# Altium PCB 2m_DBoard_RX.PcbDoc (part 3 of 3)
Units mm, origin at the board's own origin, x right, y up, seen from the top; angles counter-clockwise.
Board outline 63.5 x 139.7 mm, 8 copper layers (Top RF, AGND, AVDD, DVDD, GND 2, Signal 1, GND 1, Bottom Layer), stack 1.544 mm thick; 234 components, 188 nets, 1048 pads, 1067 vias.
Unrouted connection lines stored in the file: 2.
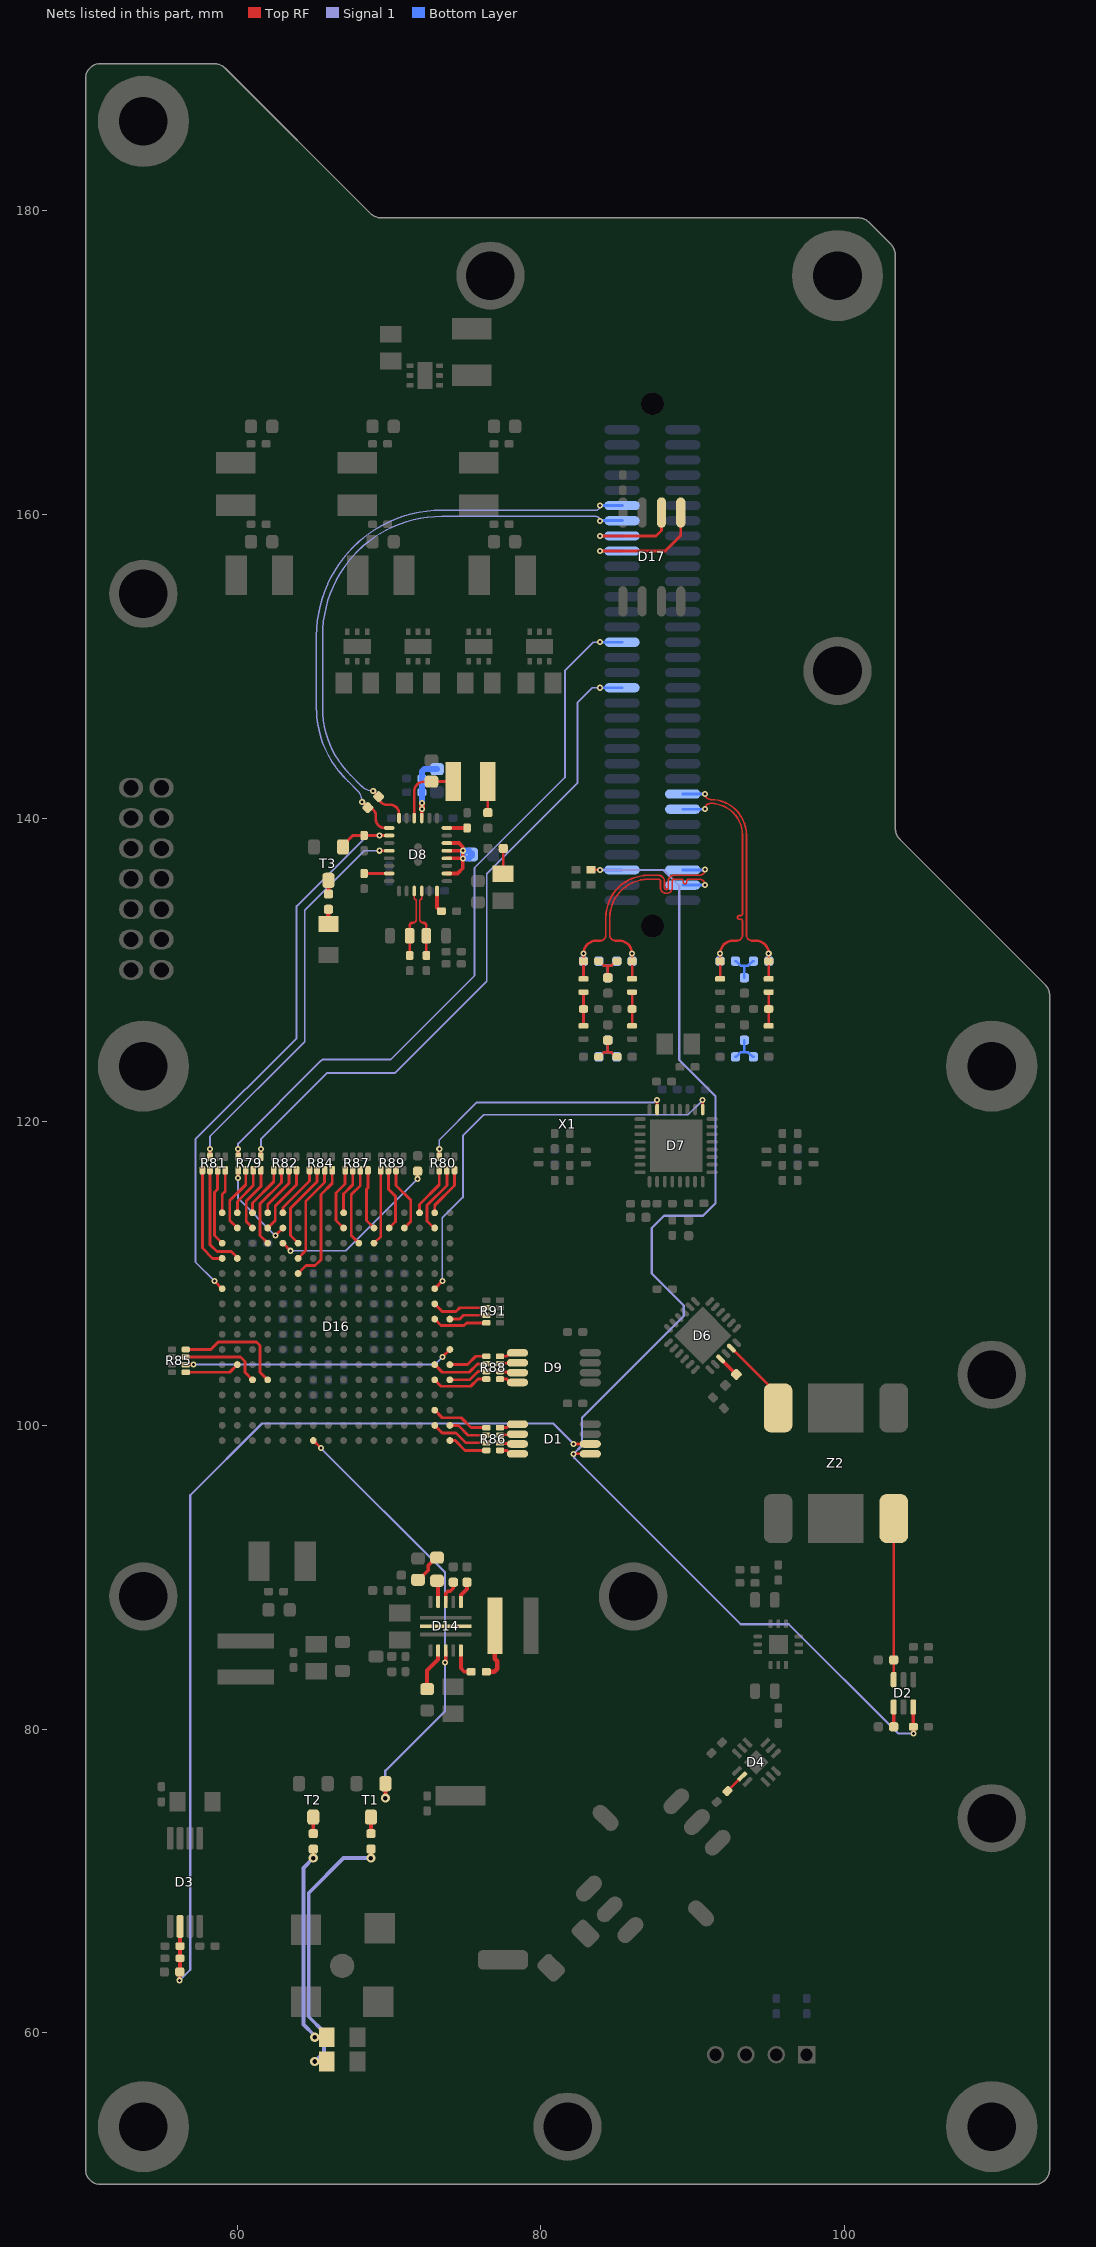
[diagram p9: the nets of this part, all layers, seen from the top]

## Via types
v1: diameter 0.6, hole 0.3, Top RF to Bottom Layer, tented both sides, 699 vias
v2: diameter 0.4, hole 0.2, Top RF to Bottom Layer, tented both sides, 346 vias
v3: diameter 0.7, hole 0.4, Top RF to Bottom Layer, tented both sides, 22 vias

## Nets (pads, with @x,y where several pads share a name; then routed paths per layer and width w, separated by ;. In a path a pad name is that pad's centre, name@x,y a point inside that pad or via, vN(x,y) a via of type N, cw(c..) or ccw(c..) an arc to the next point about the centre after c; other vN are vias at no path point) (continued)
NetC41_2: C41.2 L9.2 L10.1 | length 2.2
  Top RF w0.17: L9.2@95,126.31 C41.2@95,127.425 L10.1@95,128.54
NetC46_1: C46.1 D8.12 L12.1 | length 4.6
  Top RF w0.115: D8.12@72.15,135.2 72.15,134.7 cw(c72.1,134.7) 72.1,134.65 ccw(c72.1,134.565) 72.015,134.565 72.015,133.335 ccw(c72.25,133.335) 72.25,133.1
  Top RF w0.17: 72.25,133.1 cw(c72.25,132.9) 72.45,132.9 L12.1@72.45,132.25 C46.1@72.45,130.95
NetC47_1: C47.1 D8.11 L11.1 | length 4.6
  Top RF w0.115: 71.55,133.1 ccw(c71.55,133.335) 71.785,133.335 71.785,134.565 ccw(c71.7,134.565) 71.7,134.65 cw(c71.7,134.7) 71.65,134.7 D8.11@71.65,135.2
  Top RF w0.17: C47.1@71.35,130.95 L11.1@71.35,132.25 71.35,132.9 cw(c71.55,132.9) 71.55,133.1
NetC48_2: C48.2 C54.1 R25.1 | length 2.2
  Top RF w0.17: C48.2@83.85,124.275 84.15,124.575 84.4,124.575 ; R25.1@84.4,125.367 84.4,124.575 ; C54.1@84.95,124.275 84.65,124.575 84.4,124.575
  Top RF w0.185: C48.2@83.8,124.275 C48.2@83.85,124.275 ; C54.1@84.95,124.275 C54.1@85,124.275
NetC49_2: C49.2 C56.1 R30.1 | length 2.2
  Top RF w0.17: C49.2@83.85,130.575 84.15,130.275 84.4,130.275 ; R30.1@84.4,129.483 84.4,130.275 ; C56.1@84.95,130.575 84.65,130.275 84.4,130.275
  Top RF w0.185: C49.2@83.8,130.575 C49.2@83.85,130.575 ; C56.1@84.95,130.575 C56.1@85,130.575
NetC50_1: C50.1 L13.2 L14.1 | length 2.2
  Top RF w0.17: L13.2@82.8,126.31 C50.1@82.8,127.425 L14.1@82.8,128.54
NetC51_2: C51.2 D8.16 D8.18 D8.19 D8.20 | length 7.8
  Top RF w0.25: D8.16@73.8,136.35 74.501,136.35 74.85,136.699 v2(74.85,137.35) ; D8.18@73.8,137.35 v2(74.85,137.35) ; D8.19@73.8,137.85 v2(74.85,137.85) ; D8.20@73.8,138.35 74.6,138.35 74.85,138.1 v2(74.85,137.85) ; v2(74.85,137.35) v2(74.85,137.85)
  Bottom Layer w0.4: v2(74.85,137.35) v2(74.85,137.85) 75.25,137.85 75.45,137.65 C51.2@75.45,137.6 75.45,137.55 75.25,137.35 v2(74.85,137.35)
NetC53_2: C53.2 L16.2 L17.1 | length 2.2
  Top RF w0.17: L16.2@86,126.31 C53.2@86,127.425 L17.1@86,128.54
NetC55_2: C55.2 D8.26 L15.2 | length 4.7
  Top RF w0.17: D8.26@71.65,140 71.65,141.75 cw(c72.3,141.75) 72.3,142.4 C55.2@72.788,142.4 ; C55.2@72.797,142.409 L15.2@74.205,142.409
  Top RF w0.185: C55.2@72.788,142.4 C55.2@72.797,142.409
NetC57_2: C57.2 R29.2 | length 1.6
  Top RF w0.17: C57.2@77.516,136.378 R29.2@77.516,138
NetC58_2: C58.2 C59.2 D8.25 R31.1 | length 4.5
  Top RF w0.25: D8.25@72.15,140 v2(72.15,140.6)
  Top RF w0.4: v2(72.15,140.6) v2(72.15,141)
  Bottom Layer w0.4: v2(72.15,140.6) v2(72.15,141) C59.2@72.15,141.65 ; C59.2@72.15,141.7 C58.2@72.15,142.607 72.15,143.05 72.324,143.224 R31.1@73.15,143.224
NetC64_2: C64.2 D8.22 | length 1.3
  Top RF w0.25: D8.22@73.8,139.35 C64.2@75.131,139.35
NetC65_1: C65.1 D8.14 | length 1.5
  Top RF w0.25: D8.14@73.15,135.2 73.15,134.112 73.393,133.869 C65.1@73.443,133.869
NetC67_2: C67.2 D8.7 | length 1.7
  Top RF w0.185: C67.2@68.35,136.35 D8.7@70,136.35
NetC73_1: C73.1 D14.13 | length 1.9
  Top RF w0.25: D14.13@74.725,85.175 74.725,84 74.95,83.775 C73.1@75.4,83.775
NetC73_2: C73.2 D14.7 L20.2 | length 3.7
  Top RF w0.3: C73.2@76.4,83.775 76.914,83.775 77.113,83.974 77.113,84.463 76.953,84.623 76.953,86.787 L20.2@76.965,86.8
NetC75_1: C75.1 D14.10 | length 2.9
  Top RF w0.25: C75.1@72.5,82.625 72.5,83.85 73.225,84.575 D14.10@73.225,85.175
NetC82_2: C82.2 R35.1 | length 2
  Top RF w0.25: C82.2@71.9,89.825 71.95,89.825 72.579,90.454 72.579,90.766 73.1,91.287 R35.1@73.15,91.287
NetC100_2: C100.2 D4.2 | length 1.4
  Top RF w0.17: C100.2@92.282,75.907 93.249,76.874 D4.2@93.254,76.874
NetD2_1: D2.1 R1.2 | length 1.3
  Top RF w0.25: D2.1@103.225,81.45 103.229,81.446 103.229,80.154 R1.2@103.233,80.15
NetD6_3: D6.3 R7.2 | length 1.5
  Top RF w0.25: D6.3@91.832,104.379 91.838,104.379 92.857,103.359 R7.2@92.863,103.359
NetD6_5: D6.5 Z2.OUT | length 5
  Top RF w0.17: D6.5@92.547,105.086 D6.5@92.539,105.086 95.141,102.484 cw(c93.997,101.34) Z2.OUT@95.615,101.34
NetD14_1: D14.1 R33.2 | length 1.5
  Top RF w0.25: D14.1@74.725,88.375 74.725,88.825 75.125,89.225 R33.2@75.125,89.667
NetD14_3: D14.3 R34.2 | length 1.6
  Top RF w0.25: D14.3@73.725,88.375 73.725,88.929 73.871,89.075 74.025,89.075 74.225,89.275 R34.2@74.225,89.667
NetD14_4: D14.4 R35.2 | length 1.4
  Top RF w0.25: R35.2@73.15,89.763 73.225,89.688 D14.4@73.225,88.375
NetD16_A8: D16.A8 R91.3 | length 2.5
  Top RF w0.185: D16.A8@74,107 74.65,107 74.9,107.25 R91.3@76.4,107.25
NetD16_A10: D16.A10 R85.2 | length 17.8
  Top RF w0.185: R85.2@56.6,104 v2(57.1,104) ; v2(73.5,104.5) D16.A10@74,105
  Signal 1 w0.12: v2(57.1,104) 73,104 v2(73.5,104.5)
NetD16_A11: D16.A11 R88.1 | length 2.6
  Top RF w0.185: D16.A11@74,104 75.15,104 75.7,104.55 R88.1@76.4,104.55
NetD16_A12: D16.A12 R88.3 | length 2.6
  Top RF w0.185: D16.A12@74,103 75.3,103 75.85,103.55 R88.3@76.4,103.55
NetD16_A15: D16.A15 R86.6 | length 2.7
  Top RF w0.185: D16.A15@74,100 74.008,99.992 74.558,99.992 75.2,99.35 R86.6@76.4,99.35
NetD16_A16: D16.A16 R86.8 | length 2.7
  Top RF w0.185: D16.A16@74,99 74.35,99 75,98.35 R86.8@76.4,98.35
NetD16_B1: D16.B1 R80.4 | length 3.3
  Top RF w0.185: D16.B1@73,114 73,114.5 74.3,115.8 R80.4@74.3,116.8
NetD16_B2: D16.B2 R80.3 | length 4.6
  Top RF w0.185: D16.B2@73,113 72.95,113 72.5,113.45 72.5,114.5 73.8,115.8 R80.3@73.8,116.8
NetD16_B7: D16.B7 R91.2 | length 3.7
  Top RF w0.185: D16.B7@73,108 73.5,107.5 74.4,107.5 74.65,107.75 R91.2@76.4,107.75
NetD16_B8: D16.B8 R91.4 | length 3.6
  Top RF w0.185: D16.B8@73,107 73.417,106.582 74.939,106.582 75.106,106.75 R91.4@76.4,106.75
NetD16_B11: D16.B11 R88.2 | length 3.8
  Top RF w0.185: D16.B11@73,104 73.5,103.5 75.275,103.5 75.825,104.05 R88.2@76.4,104.05
NetD16_B12: D16.B12 R88.4 | length 3.8
  Top RF w0.185: D16.B12@73,103 73.425,102.575 75.375,102.575 75.85,103.05 R88.4@76.4,103.05
NetD16_B14: D16.B14 R86.5 | length 3.9
  Top RF w0.185: D16.B14@73,101 73.5,100.5 74.75,100.5 75.4,99.85 R86.5@76.4,99.85
NetD16_B15: D16.B15 R86.7 | length 3.9
  Top RF w0.185: D16.B15@73,100 73.5,99.5 74.409,99.5 75.059,98.85 R86.7@76.4,98.85
NetD16_C1: D16.C1 R80.2 | length 3.3
  Top RF w0.185: D16.C1@72,114 72,114.55 73.3,115.85 R80.2@73.3,116.8
NetD16_D2: D16.D2 R89.3 | length 4.4
  Top RF w0.185: R89.3@70.45,116.8 70.45,115.806 71.417,114.839 71.417,113.418 D16.D2@71,113
NetD16_E2: D16.E2 R89.2 | length 4.2
  Top RF w0.185: R89.2@69.95,116.8 69.95,115.556 70.417,115.089 70.417,113.417 D16.E2@70,113
NetD16_F2: D16.F2 R87.4 | length 4
  Top RF w0.185: R87.4@68.6,116.8 68.6,115.65 68.5,115.55 68.5,113.5 D16.F2@69,113
NetD16_F3: D16.F3 R89.1 | length 5
  Top RF w0.185: D16.F3@69,112 69.45,112.45 R89.1@69.45,116.8
NetD16_G3: D16.G3 R87.3 | length 5.3
  Top RF w0.185: D16.G3@68,112 67.5,112.5 67.5,115.2 68.1,115.8 R87.3@68.1,116.8
NetD16_H1: D16.H1 R87.2 | length 3
  Top RF w0.185: D16.H1@67,114 67,115.25 67.6,115.85 R87.2@67.6,116.8
NetD16_H2: D16.H2 R87.1 | length 4.3
  Top RF w0.185: D16.H2@67,113 66.5,113.5 66.5,115.3 67.1,115.9 R87.1@67.1,116.8
NetD16_L3: D16.L3 R84.2 | length 5.7
  Top RF w0.185: D16.L3@64,112 63.5,112.5 63.5,114.3 65.25,116.05 R84.2@65.25,116.8
NetD16_L4: D16.L4 R84.3 | length 6.5
  Top RF w0.185: D16.L4@64,111 64.5,111.5 64.5,114.75 65.75,116 R84.3@65.75,116.8
NetD16_L5: D16.L5 R84.4 | length 8.1
  Top RF w0.185: D16.L5@64,110 64.521,110.521 65.112,110.521 65.5,110.91 65.5,115.2 66.25,115.95 R84.4@66.25,116.8
NetD16_M1: D16.M1 R84.1 | length 3.5
  Top RF w0.185: D16.M1@63,114 63,114.35 64.75,116.1 R84.1@64.75,116.8
NetD16_M2: D16.M2 R79.1 | length 6
  Top RF w0.185: v2(60.05,116.3) R79.1@60.05,116.8 ; v2(62.5,112.5) D16.M2@63,113
  Signal 1 w0.12: v2(60.05,116.3) 60.05,114.95 v2(62.5,112.5)
NetD16_M3: D16.M3 R90.1 | length 11.5
  Top RF w0.185: D16.M3@63,112 v2(63.5,111.5) ; v2(71.875,116.242) R90.1@71.875,116.742
  Signal 1 w0.12: v2(63.5,111.5) 67.133,111.5 v2(71.875,116.242)
NetD16_N1: D16.N1 R82.3 | length 3.4
  Top RF w0.185: D16.N1@62,114 62,114.55 63.4,115.95 R82.3@63.4,116.8
NetD16_N2: D16.N2 R82.4 | length 4.6
  Top RF w0.185: D16.N2@62,113 62.5,113.5 62.5,114.45 63.9,115.85 R82.4@63.9,116.8
NetD16_N3: D16.N3 R82.2 | length 5.6
  Top RF w0.185: D16.N3@62,112 61.5,112.5 61.5,114.6 62.9,116 R82.2@62.9,116.8
NetD16_N12: D16.N12 R85.4 | length 7.7
  Top RF w0.185: R85.4@56.6,105 58.244,105 58.744,105.5 61.25,105.5 61.5,105.25 61.5,103.5 D16.N12@62,103
NetD16_P1: D16.P1 R82.1 | length 3.4
  Top RF w0.185: D16.P1@61,114 61,114.65 62.4,116.05 R82.1@62.4,116.8
NetD16_P2: D16.P2 R79.4 | length 4.4
  Top RF w0.185: D16.P2@61,113 60.582,113.417 60.582,114.782 61.55,115.75 R79.4@61.55,116.8
NetD16_P12: D16.P12 R85.3 | length 5.4
  Top RF w0.185: R85.3@56.6,104.5 60.2,104.5 60.5,104.2 60.5,103.5 D16.P12@61,103
NetD16_R1: D16.R1 R79.3 | length 3.2
  Top RF w0.185: D16.R1@60,114 60,114.75 61.05,115.8 R79.3@61.05,116.8
NetD16_R2: D16.R2 R79.2 | length 4.4
  Top RF w0.185: D16.R2@60,113 59.5,113.5 59.5,114.8 60.55,115.85 R79.2@60.55,116.8
NetD16_R4: D16.R4 R81.2 | length 7.1
  Top RF w0.185: R81.2@58.2,116.8 58.2,111.9 58.65,111.45 59.6,111.45 60,111.05 D16.R4@60,111
NetD16_R11: D16.R11 R85.1 | length 3.6
  Top RF w0.185: R85.1@56.6,103.5 59.5,103.5 D16.R11@60,104
NetD16_T1: D16.T1 R81.4 | length 2.9
  Top RF w0.185: D16.T1@59,114 59,115.2 59.2,115.4 R81.4@59.2,116.8
NetD16_T3: D16.T3 R81.3 | length 5.1
  Top RF w0.185: R81.3@58.7,116.8 58.7,115.55 58.5,115.35 58.5,112.5 D16.T3@59,112
NetD16_T4: D16.T4 R81.1 | length 6.7
  Top RF w0.185: R81.1@57.7,116.8 57.7,111.675 58.375,111 D16.T4@59,111
NetH1_1: H1.1 R4.2 | length 18.2
  Top RF w0.25: v1(65.1,58.1) H1.1@65.89,58.1 ; v1(68.8,71.5) R4.2@68.8,72.092
  Signal 1 w0.25: v1(65.1,58.1) 65.7,58.7 65.7,60.05 64.7,61.05 64.7,69.2 67,71.5 v1(68.8,71.5)
NetH2_1: H2.1 R5.1 | length 13.8
  Top RF w0.25: v1(65,71.5) R5.1@65,72.092 ; v1(65.1,59.7) H2.1@65.89,59.7
  Signal 1 w0.25: v1(65,71.5) 64.35,70.85 64.35,60.545 65.1,59.795 v1(65.1,59.7)
NetH3_1: H3.1 R32.2 | length 1
  Top RF w0.3: H3.1@66,133.01 R32.2@66,133.992
NetL15_1: L15.1 R23.1 | length 2.1
  Top RF w0.17: R23.1@76.5,140.358 L15.1@76.5,142.404
  Top RF w0.185: L15.1@76.495,142.409 L15.1@76.5,142.404
NetR4_1: R4.1 T1.3 | length 1.1
  Top RF w0.25: R4.1@68.8,73.078 68.795,73.078 68.8,73.083 R4.1@68.8,73.108 T1.3@68.8,74.2
NetR5_2: R5.2 T2.3 | length 1.1
  Top RF w0.25: R5.2@65,73.108 T2.3@65,74.2
NetR12_2: R12.2 R14.2 R16.1 | length 2.2
  Bottom Layer w0.17: R12.2@92.85,124.275 93.15,124.575 93.4,124.575 ; R14.2@93.4,125.367 93.4,124.575 ; R16.1@93.95,124.275 93.65,124.575 93.4,124.575
  Bottom Layer w0.185: R12.2@92.8,124.275 R12.2@92.85,124.275 ; R16.1@93.95,124.275 R16.1@94,124.275
NetR13_2: R13.2 R17.1 R18.1 | length 2.2
  Bottom Layer w0.17: R13.2@92.85,130.575 93.15,130.275 93.4,130.275 ; R17.1@93.4,129.483 93.4,130.275 ; R18.1@93.95,130.575 93.65,130.275 93.4,130.275
  Bottom Layer w0.185: R13.2@92.8,130.575 R13.2@92.85,130.575 ; R18.1@93.95,130.575 R18.1@94,130.575
NetR21_2: R21.2 R24.2 R26.1 | length 2.2
  Bottom Layer w0.17: R21.2@83.85,124.275 84.15,124.575 84.4,124.575 ; R24.2@84.4,125.367 84.4,124.575 ; R26.1@84.95,124.275 84.65,124.575 84.4,124.575
  Bottom Layer w0.185: R21.2@83.8,124.275 R21.2@83.85,124.275 ; R26.1@84.95,124.275 R26.1@85,124.275
NetR22_2: R22.2 R27.1 R28.1 | length 2.2
  Bottom Layer w0.17: R22.2@83.85,130.575 84.15,130.275 84.4,130.275 ; R27.1@84.4,129.483 84.4,130.275 ; R28.1@84.95,130.575 84.65,130.275 84.4,130.275
  Bottom Layer w0.185: R22.2@83.8,130.575 R22.2@83.85,130.575 ; R28.1@84.95,130.575 R28.1@85,130.575
NetR32_1: R32.1 T3.3 | length 0.9
  Top RF w0.25: R32.1@66,135.008 T3.3@66,135.9
ref_freq_rx_n: D8.28 R20.1 X1.77 | length 38.7
  Top RF w0.17: R20.1@69.309,141.397 ccw(c69.843,141.409) 69.843,140.875 70.075,140.875 cw(c70.075,140.3) 70.65,140.3 D8.28@70.65,140
  Top RF w0.185: v2(68.95,141.775) 69.309,141.416 R20.1@69.309,141.397
  Signal 1 w0.1: v2(68.95,141.775) cw(c68.95,142.842) 68.195,142.088 67.448,142.835 67.445,142.837 cw(c71.87,147.262) 65.613,147.262 65.613,147.265 65.613,152.012 cw(c73.475,152.012) 73.475,159.875 83.6,159.875 cw(c83.6,159.575) v2(83.9,159.575)
  Bottom Layer w0.185: v2@83.939,159.591 X1.77@85.362,159.591
ref_freq_rx_p: D8.1 R20.2 X1.75 | length 39.7
  Top RF w0.17: R20.2@68.591,140.691 cw(c68.591,140.157) 69.125,140.157 69.125,139.925 ccw(c69.7,139.925) 69.7,139.35 D8.1@70,139.35
  Top RF w0.185: v2(68.225,141.05) 68.584,140.691 R20.2@68.591,140.691
  Signal 1 w0.1: v2(68.225,141.05) ccw(c67.158,141.05) 67.915,141.802 ccw(c67.158,141.05) 67.911,141.806 67.283,142.434 ccw(c67.212,142.364) 67.282,142.435 67.045,142.672 ccw(c66.96,142.619) 67.034,142.687 cw(c71.87,147.262) 65.215,147.077 ccw(c65.115,147.074) 65.213,147.097 65.213,148.316 cw(c74.43,148.323) 65.213,148.323 65.213,148.325 65.213,152.012 cw(c73.475,152.012) 73.475,160.275 83.6,160.275 ccw(c83.6,160.575) v2(83.9,160.575)
  Bottom Layer w0.185: v2@83.939,160.591 X1.75@85.362,160.591
RF_Fwd: D2.6 R2.1 Z2.FWD | length 10.7
  Top RF w0.17: D2.6@103.225,83.25 R2.1@103.225,84.542 ; R2.1@103.233,84.55 Z2.FWD@103.233,93.982
RF_Fwd_Vout: C3.2 C102.2 D1.5 D2.3 X1.123 | length 86.3
  Top RF w0.185: v2(82.15,98.125) D1.5@83.25,98.125 ; C102.2@83.3,136.6 83.308,136.592 83.868,136.592 v2(83.876,136.584)
  Top RF w0.25: C3.2@104.525,80.175 C3.2@104.537,80.163 ; D2.3@104.525,81.45 104.525,80.193 ccw(c104.568,80.193) C3.2@104.537,80.163 ; v2(104.55,79.7) 104.537,79.713 C3.2@104.537,80.162
  Signal 1 w0.15: v2(83.876,136.584) 88.066,136.584 89.1,135.55 89.1,124.071 91.5,121.671 91.5,114.625 90.675,113.8 88.1,113.8 87.3,113 87.3,110 89.4,107.9 89.4,107.2 82.7,100.5 82.7,98.675 v2(82.15,98.125) 82.188,98.087 82.188,97.862 93.15,86.9 96.325,86.9 103.525,79.7 v2(104.55,79.7)
  Bottom Layer w0.185: v2(83.876,136.584) X1.123@85.338,136.584
RX_IFIA_N: C56.2 L17.2 R28.2 X1.126 | length 16.7
  Top RF w0.115: 84.9,131.925 cw(c84.9,132.295) 84.53,132.295 84.53,133.43 cw(c87.07,133.43) 87.07,135.97 87.216,135.97 87.743,135.97 cw(c87.743,135.843) 87.871,135.843 87.871,135.428 ccw(c88.258,135.428) 88.258,135.041 ccw(c88.258,135.428) 88.646,135.428 88.646,135.843 cw(c88.773,135.843) 88.773,135.97 88.961,135.97 89.253,135.97 cw(c89.253,135.853) 89.371,135.853 89.371,135.782 ccw(c89.488,135.782) 89.606,135.782 89.606,135.853 cw(c89.723,135.853) 89.723,135.97 89.99,135.97 90.43,135.97 cw(c90.43,135.6) v2(90.8,135.6)
  Top RF w0.17: 84.9,131.925 85.15,131.925 cw(c85.15,131.075) v2(86,131.075) C56.2@86,130.575 L17.2@86,129.41
  Bottom Layer w0.17: R28.2@86.008,130.575 v2@86.008,131.075
  Bottom Layer w0.185: v2(86,131.075) v2@86.008,131.075 ; X1.126@89.338,135.584 90.8,135.584 v2(90.8,135.6)
RX_IFIA_P: C49.1 L14.2 R22.1 X1.124 | length 16.7
  Top RF w0.115: 83.9,131.925 ccw(c83.9,132.295) 84.27,132.295 84.27,133.434 cw(c87.066,133.434) 87.066,136.23 87.216,136.23 87.743,136.23 cw(c87.743,135.843) 88.131,135.843 88.131,135.428 ccw(c88.258,135.428) 88.258,135.301 ccw(c88.258,135.428) 88.386,135.428 88.386,135.843 cw(c88.773,135.843) 88.773,136.23 88.961,136.23 90.43,136.23 ccw(c90.43,136.6) v2(90.8,136.6)
  Top RF w0.17: L14.2@82.8,129.41 C49.1@82.8,130.575 v2(82.8,131.075) cw(c83.65,131.075) 83.65,131.925 83.9,131.925
  Bottom Layer w0.17: R22.1@82.792,130.575 v2@82.792,131.075
  Bottom Layer w0.185: v2@82.792,131.075 v2(82.8,131.075) ; X1.124@89.338,136.584 90.8,136.584 v2(90.8,136.6)
RX_IFIB_N: C43.2 L10.2 R18.2 X1.114 | length 16.7
  Top RF w0.115: v2(90.8,141.6) ccw(c91.17,141.6) 91.17,141.23 cw(c91.17,138.87) 93.53,138.87 93.53,132.295 ccw(c93.9,132.295) 93.9,131.925
  Top RF w0.12: v2@90.8,141.559 v2(90.8,141.6)
  Top RF w0.17: 93.9,131.925 94.15,131.925 cw(c94.15,131.075) v2(95,131.075) C43.2@95,130.575 L10.2@95,129.41
  Bottom Layer w0.185: X1.114@89.338,141.584 90.761,141.584 ccw(c90.761,141.639) v2(90.8,141.6) ; v2(95,131.075) 95.008,131.075 R18.2@95.008,130.575
RX_IFIB_P: C39.1 L8.2 R13.1 X1.116 | length 16.7
  Top RF w0.115: v2(90.8,140.6) cw(c91.17,140.6) 91.17,140.97 cw(c91.17,138.87) 93.27,138.87 93.27,133.887 93.27,133.694 cw(c93.153,133.694) 93.153,133.576 93.062,133.576 ccw(c93.062,133.459) 93.062,133.341 93.153,133.341 cw(c93.153,133.224) 93.27,133.224 93.27,133.166 93.27,132.295 cw(c92.9,132.295) 92.9,131.925
  Top RF w0.17: L8.2@91.8,129.41 C39.1@91.8,130.575 v2(91.8,131.075) cw(c92.65,131.075) 92.65,131.925 92.9,131.925
  Bottom Layer w0.185: X1.116@89.338,140.584 90.761,140.584 ccw(c90.761,140.639) v2(90.8,140.6) ; R13.1@91.792,130.575 91.792,131.075 v2(91.8,131.075)
RX_ISense_Vout: C4.2 C5.2 D1.6 D3.6 R3.2 | length 64.7
  Top RF w0.185: v2(82.15,98.775) D1.6@83.25,98.775
  Top RF w0.25: v2(56.2,63.45) 56.204,63.454 56.204,63.996 R3.2@56.208,64 56.217,64.009 56.217,64.892 C4.2@56.225,64.9 C5.2@56.225,65.7 D3.6@56.225,67
  Signal 1 w0.15: v2(56.2,63.45) 56.9,64.15 56.9,95.4 61.625,100.125 80.8,100.125 v2(82.15,98.775)
SCL_RX: D17.6 X1.79 | length 6.9
  Top RF w0.185: v2(83.876,158.584) 87.584,158.584 87.935,158.935 D17.6@87.935,160.121
  Bottom Layer w0.185: v2(83.876,158.584) X1.79@85.338,158.584
SCLK_AD7922: D1.3 R86.2 | length 1.2
  Top RF w0.185: R86.2@77.3,98.85 77.338,98.813 78.413,98.813 D1.3@78.45,98.775
SCLK_AD7922_2: D9.3 R88.6 | length 1.2
  Top RF w0.185: R88.6@77.3,103.55 77.338,103.513 78.413,103.513 D9.3@78.45,103.475
SCLK_LTC5594: D7.23 R80.7 | length 17.2
  Top RF w0.185: R80.7@73.3,117.7 v2(73.3,118.2) ; v2(87.645,121.437) 87.648,121.435 87.648,120.803 D7.23@87.65,120.8
  Signal 1 w0.12: v2(73.3,118.2) 73.3,118.795 75.775,121.27 87.435,121.27 87.602,121.437 v2(87.645,121.437)
SCLK_LTC6948: D8.4 R81.7 | length 26
  Top RF w0.185: R81.7@58.2,117.7 v2(58.2,118.2) ; v2(69.35,137.85) D8.4@70,137.85
  Signal 1 w0.12: v2(58.2,118.2) 58.2,119.036 64.44,125.276 64.44,133.94 68.35,137.85 v2(69.35,137.85)
SCLK_RX: R79.8 X1.93 | length 48.1
  Top RF w0.185: R79.8@60.05,117.7 v2(60.05,118.2)
  Signal 1 w0.12: v2(60.05,118.2) 60.05,118.561 65.503,124.014 65.514,124.014 65.6,124.1 70.1,124.1 75.62,129.62 75.62,136.72 81.573,142.673 81.573,149.718 83.439,151.584 v2(83.876,151.584)
  Bottom Layer w0.185: v2(83.876,151.584) X1.93@85.338,151.584
SDA_RX: D17.5 X1.81 | length 8.7
  Top RF w0.185: v2(83.876,157.584) 88.184,157.584 89.205,158.605 D17.5@89.205,160.121
  Bottom Layer w0.185: v2(83.876,157.584) X1.81@85.338,157.584
SDI_AD7922: D1.4 R86.1 | length 1.2
  Top RF w0.185: R86.1@77.3,98.35 77.746,98.35 77.971,98.125 D1.4@78.45,98.125
SDI_AD7922_2: D9.4 R88.5 | length 1.2
  Top RF w0.185: R88.5@77.3,103.05 77.746,103.05 77.971,102.825 D9.4@78.45,102.825
SDO_AD7922: D1.1 R86.4 | length 1.2
  Top RF w0.185: R86.4@77.3,99.85 77.746,99.85 77.971,100.075 D1.1@78.45,100.075
SDO_AD7922_2: D9.1 R88.8 | length 1.2
  Top RF w0.185: R88.8@77.3,104.55 77.746,104.55 77.971,104.775 D9.1@78.45,104.775
SEN_AD7922: D1.2 R86.3 | length 1.2
  Top RF w0.185: R86.3@77.3,99.35 77.338,99.388 78.413,99.388 D1.2@78.45,99.425
SEN_AD7922_2: D9.2 R88.7 | length 1.2
  Top RF w0.185: R88.7@77.3,104.05 77.338,104.088 78.413,104.088 D9.2@78.45,104.125
SEN_LTC5594: D7.17 D16.B6 | length 28.2
  Top RF w0.185: D16.B6@73,109 v2(73.5,109.5) ; D7.17@90.65,120.8 v2(90.65,121.425)
  Signal 1 w0.12: v2(73.5,109.5) 73.5,113.663 74.852,115.015 74.852,119.09 76.222,120.46 89.685,120.46 v2(90.65,121.425)
SEN_RX: R79.5 X1.99 | length 44.5
  Top RF w0.185: R79.5@61.55,117.7 v2(61.55,118.2)
  Signal 1 w0.12: v2(61.55,118.2) 61.55,118.85 65.919,123.219 70.401,123.219 76.43,129.248 76.43,136.33 82.402,142.302 82.402,147.608 83.379,148.584 v2(83.876,148.584)
  Bottom Layer w0.185: v2(83.876,148.584) X1.99@85.338,148.584
STAT_LTC6948: C61.1 D8.2 D16.T6 T3.1 | length 39.5
  Top RF w0.185: v2(58.5,109.5) D16.T6@59,109 ; T3.1@66.95,138.1 66.95,138.2 67.6,138.85 C61.1@68.35,138.85 68.4,138.85 v2(69.35,138.85) D8.2@70,138.85
  Signal 1 w0.12: v2(58.5,109.5) 57.24,110.76 57.24,118.84 63.9,125.5 63.9,134.2 68.55,138.85 v2(69.35,138.85)
TPS_EN: D14.11 D16.K16 T1.1 | length 30.5
  Top RF w0.185: D16.K16@65,99 v2(65.5,98.5)
  Top RF w0.25: v1(69.75,75.45) T1.1@69.75,76.4 ; v2(73.675,84.375) 73.675,84.416 73.725,84.466 D14.11@73.725,85.175
  Signal 1 w0.15: v2(65.5,98.5) 73.675,90.325 v2(73.675,84.375) 73.675,81.175 69.75,77.25 v1(69.75,75.45)
pads on no net: D3.3 D3.5 D3.7 D4.3 D4.4 D4.5 D4.6 D4.7 D5.11 D5.12 D7.11 D7.14 D7.30 D9.5 D16.A1 D16.A2 D16.A3 D16.A4 D16.A5 D16.A6 D16.A7 D16.A9 D16.A13 D16.A14 D16.B3 D16.B4 D16.B5 D16.B9 D16.B10 D16.B13 D16.C2 D16.C3 D16.C4 D16.C5 D16.C6 D16.C7 D16.C8 D16.C9 D16.C10 D16.C11 D16.C12 D16.C13 D16.C14 D16.C15 D16.D1 D16.D3 D16.D4 D16.D6 D16.D7 D16.D8 D16.D9 D16.D10 D16.D11 D16.D13 D16.D14 D16.D15 D16.D16 D16.E1 D16.E3 D16.E4 D16.E5 D16.E6 D16.E7 D16.E8 D16.E9 D16.E10 D16.E11 D16.E12 D16.E13 D16.E14 D16.E15 D16.E16 D16.F1 D16.F5 D16.F12 D16.F13 D16.F14 D16.F15 D16.F16 D16.G1 D16.G2 D16.G4 D16.G5 D16.G11 D16.G12 D16.G13 D16.G14 D16.G15 D16.G16 D16.H3 D16.H4 D16.H5 D16.H12 D16.H13 D16.H14 D16.H15 D16.H16 D16.J1 D16.J2 D16.J3 D16.J4 D16.J5 D16.J12 D16.J13 D16.J14 D16.J15 D16.J16 D16.K1 D16.K2 D16.K3 D16.K4 D16.K5 D16.K12 D16.K14 D16.K15 D16.L1 D16.L2 D16.L12 D16.L13 D16.L14 D16.L15 D16.M4 D16.M5 D16.M6 D16.M7 D16.M8 D16.M9 D16.M10 D16.M11 D16.M12 D16.M13 D16.M14 D16.M15 D16.M16 D16.N4 D16.N5 D16.N6 D16.N7 D16.N8 D16.N9 D16.N10 D16.N11 D16.N13 D16.N14 D16.N15 D16.N16 D16.P4 D16.P5 D16.P6 D16.P7 D16.P8 D16.P9 D16.P10 D16.P11 D16.P13 D16.P14 D16.P15 D16.P16 D16.R3 D16.R5 D16.R6 D16.R7 D16.R8 D16.R9 D16.R10 D16.R12 D16.R13 D16.R14 D16.R15 D16.R16 D16.T2 D16.T5 D16.T7 D16.T8 D16.T9 D16.T10 D16.T11 D16.T12 D16.T13 D16.T14 D16.T15 D16.T16 D17.7 R80.1 R80.8 R89.4 R89.5 R91.1 R91.8 X1.0@87.338,132.884 X1.0@87.338,167.284 X1.87 X1.89 X1.91 X1.103 X1.104 X1.107 X1.108 X1.109 X1.110 X1.113 X1.115 X1.117 X1.119 X1.121 X3.12 X3.14

## Polygon pours and split planes (outlines as drawn)
no net on Top Overlay "NONET_L01_P-001" (solid): 78.625,173.25 78.625,171 90.875,171 90.875,173.25
GND on Top RF "GND_L01_P046" (solid, pour order 46): 113.5,51 113.5,128.305 ccw(c112.426,128.305) 113.185,129.065 103.64,138.61 cw(c104.342,139.311) 103.35,139.311 103.35,177.046 ccw(c102.254,177.046) 103.029,177.821 101.618,179.232 ccw(c100.851,178.466) 100.851,179.55 69.461,179.55 cw(c69.461,180.542) 68.76,179.84 59.215,189.385 ccw(c58.455,188.626) 58.455,189.7 51,189.7 ccw(c51,188.7) 50,188.7 50,51 ccw(c51,51) 51,50 112.5,50 ccw(c112.5,51)
12V_AVDD on Top RF "12V_AVDD_L01_P045" (solid, pour order 45): 62.5,85.25 58.5,85.25 58.5,86.75 60.4,88.65 60.4,92.95 60.6,93.15 62.3,93.15 62.5,92.95 62.5,86.75
NetC73_2 on Top RF "NETC73_2_L01_P044" (solid, pour order 44): 72,86.65 72,86.9 72.05,86.95 75.625,86.95 76.05,87.375 76.05,89.2 77.8,89.2 77.8,84.4 76.85,83.45 76.05,83.45 76.05,86.175 75.625,86.6 72.05,86.6
6V on Top RF "6V_L01_P042" (solid, pour order 42): 73.95,169.95 73.95,168.35 77.75,168.35 78.1,168.7 78.1,169.6 77.75,169.95
6V on Top RF "6V_L01_P041" (solid, pour order 41): 77.3,162.7 74.5,162.7 74.5,166.85 74.8,167.15 77,167.15 77.3,166.85
_12V_TPS on Top RF "_12V_TPS_L01_P040" (solid, pour order 40): 58.5,84.35 58.25,84.1 58.25,82.75 58.55,82.45 66.85,82.45 67.45,83.05 67.45,84.2 67.3,84.35
_3V3 on Top RF "_3V3_L01_P037" (solid, pour order 37): 61.3,162.7 58.5,162.7 58.5,166.85 58.8,167.15 61,167.15 61.3,166.85
_3V3 on Top RF "_3V3_L01_P010" (solid, pour order 10): 70.95,169.5 71.1,169.65 71.6,169.65 71.6,169.95 71.1,169.95 70.95,170.1 70.95,170.55 70.8,170.7 68.1,170.7 67.95,170.55 67.95,169.65 68.1,169.5
6V on Top RF "6V_L01_P032" (solid, pour order 32): 78.45,84.75 77.05,83.35 73.45,83.35 73.45,82.2 78.2,82.2 80.25,84.25 80.25,89.75 80.1,89.9 78.6,89.9 78.45,89.75
_3V3 on Top RF "_3V3_L01_P021" (solid, pour order 21): 69.3,162.7 66.5,162.7 66.5,166.85 66.8,167.15 69,167.15 69.3,166.85
_6V_flt on Top RF "_6V_FLT_L01_P015" (solid, pour order 15): 74.5,161.3 77.3,161.3 77.3,154.1 77,153.8 74.8,153.8 74.5,154.1
3V3 on Top RF "3V3_L01_P014" (solid, pour order 14): 58.5,161.3 61.3,161.3 61.3,154.1 61,153.8 58.8,153.8 58.5,154.1
_3V3_flt on Top RF "_3V3_FLT_L01_P012" (solid, pour order 12): 66.5,161.3 69.3,161.3 69.3,154.1 69,153.8 66.8,153.8 66.5,154.1
_TPS_VOUT on Top RF "_TPS_VOUT_L01_P011" (solid, pour order 11): 75.45,86.35 69.525,86.35 68.875,85.7 68.875,84.65 68.925,84.6 71.625,84.6 71.825,84.8 71.825,85.875 72,86.05 75.4,86.05 75.45,86.1
GND on Signal 1 "GND_L06_P033" (solid, pour order 33): 113.5,51 113.5,128.305 ccw(c112.426,128.305) 113.185,129.065 103.64,138.61 cw(c104.342,139.311) 103.35,139.311 103.35,177.046 ccw(c102.254,177.046) 103.029,177.821 101.618,179.232 ccw(c100.851,178.466) 100.851,179.55 69.461,179.55 cw(c69.461,180.542) 68.76,179.84 59.215,189.385 ccw(c58.455,188.626) 58.455,189.7 51,189.7 ccw(c51,188.7) 50,188.7 50,51 ccw(c51,51) 51,50 112.5,50 ccw(c112.5,51)
no net on Top Solder "NONET_L01_P-001" (solid): 51.1,189.2 58.529,189.2 cw(c58.529,188.788) 58.821,189.079 68.488,179.412 ccw(c69.362,180.286) 69.362,179.05 100.859,179.05 cw(c100.859,178.467) 101.271,178.879 102.644,177.506 cw(c102.133,176.994) 102.856,176.993 102.856,139.384 ccw(c104.379,139.325) 103.261,138.289 112.879,128.671 cw(c112.588,128.379) 113,128.379 113,51.1 cw(c112.4,51.1) 112.4,50.5 51.05,50.5 cw(c51.05,51.05) 50.5,51.05 50.5,188.6 cw(c51.1,188.6)
no net on Bottom Solder "NONET_L01_P-001" (solid): 51.102,189.207 58.532,189.207 cw(c58.532,188.795) 58.823,189.086 68.49,179.419 ccw(c69.365,180.293) 69.365,179.057 100.861,179.057 cw(c100.861,178.474) 101.273,178.886 102.647,177.513 cw(c102.135,177.001) 102.859,177 102.859,139.382 ccw(c104.37,139.327) 103.264,138.295 112.882,128.678 cw(c112.59,128.386) 113.002,128.386 113.002,51.107 cw(c112.402,51.107) 112.402,50.507 51.052,50.507 cw(c51.052,51.057) 50.502,51.057 50.502,188.607 cw(c51.102,188.607)
GND on Bottom Layer "GND_L08_P036" (solid, pour order 36): 113.5,51 113.5,128.305 ccw(c112.426,128.305) 113.185,129.065 103.64,138.61 cw(c104.342,139.311) 103.35,139.311 103.35,177.046 ccw(c102.254,177.046) 103.029,177.821 101.618,179.232 ccw(c100.851,178.466) 100.851,179.55 69.461,179.55 cw(c69.461,180.542) 68.76,179.84 59.215,189.385 ccw(c58.455,188.626) 58.455,189.7 51,189.7 ccw(c51,188.7) 50,188.7 50,51 ccw(c51,51) 51,50 112.5,50 ccw(c112.5,51)
GND on AGND (split plane): 51,189.19 58.455,189.19 58.464,189.19 58.54,189.184 58.622,189.165 58.701,189.132 58.773,189.088 58.831,189.038 58.837,189.032 68.382,179.487 68.512,179.37 68.655,179.269 68.808,179.184 68.97,179.117 69.138,179.069 69.31,179.039 69.485,179.03 100.875,179.03 100.884,179.03 100.96,179.024 101.042,179.005 101.121,178.972 101.193,178.928 101.237,178.89 101.257,178.867 102.672,177.451 102.679,177.446 102.728,177.388 102.772,177.316 102.805,177.237 102.824,177.155 102.83,177.079 102.83,177.07 102.83,139.335 102.839,139.16 102.869,138.988 102.917,138.82 102.984,138.658 103.069,138.505 103.17,138.362 103.286,138.232 112.832,128.686 112.838,128.681 112.888,128.623 112.932,128.551 112.965,128.472 112.984,128.39 112.99,128.314 112.99,128.305 112.99,51 112.991,50.988 112.982,50.904 112.954,50.812 112.909,50.727 112.848,50.652 112.773,50.591 112.688,50.546 112.596,50.518 112.512,50.509 112.5,50.51 51,50.51 50.988,50.509 50.904,50.518 50.812,50.546 50.727,50.591 50.652,50.652 50.591,50.727 50.546,50.812 50.518,50.904 50.509,50.988 50.51,51 50.51,188.7 50.509,188.712 50.518,188.796 50.546,188.888 50.591,188.973 50.652,189.048 50.727,189.109 50.812,189.154 50.904,189.182 50.988,189.191
12V_AVDD on AVDD (split plane): 62.871,92.946 62.871,90.5 62.871,76.629 57.25,76.629 57.2,76.62 57.158,76.592 56.658,76.092 56.63,76.05 56.621,76 56.621,63 56.63,62.95 56.658,62.908 59.658,59.908 59.7,59.88 59.75,59.871 97.946,59.871 98.871,58.946 98.871,50.51 51,50.51 50.988,50.509 50.904,50.518 50.812,50.546 50.727,50.591 50.652,50.652 50.591,50.727 50.546,50.812 50.518,50.904 50.509,50.988 50.51,51 50.51,93.621 62.196,93.621
_3V3_flt on AVDD (split plane): 51,189.19 58.455,189.19 58.464,189.19 58.54,189.184 58.622,189.165 58.701,189.132 58.773,189.088 58.831,189.038 58.837,189.032 68.382,179.487 68.512,179.37 68.655,179.269 68.808,179.184 68.97,179.117 69.138,179.069 69.31,179.039 69.485,179.03 100.875,179.03 100.884,179.03 100.96,179.024 101.042,179.005 101.121,178.972 101.193,178.928 101.237,178.89 101.257,178.867 102.672,177.451 102.679,177.446 102.728,177.388 102.772,177.316 102.805,177.237 102.824,177.155 102.83,177.079 102.83,177.07 102.83,139.335 102.839,139.16 102.869,138.988 102.917,138.82 102.984,138.658 103.069,138.505 103.17,138.362 103.286,138.232 112.832,128.686 112.838,128.681 112.888,128.623 112.932,128.551 112.965,128.472 112.984,128.39 112.99,128.314 112.99,128.305 112.99,51 112.991,50.988 112.982,50.904 112.954,50.812 112.909,50.727 112.848,50.652 112.773,50.591 112.688,50.546 112.596,50.518 112.512,50.509 112.5,50.51 99.129,50.51 99.129,59 99.12,59.05 99.092,59.092 98.092,60.092 98.05,60.12 98,60.129 59.804,60.129 56.879,63.054 56.879,74.121 72,74.121 72.05,74.13 72.092,74.158 72.592,74.658 72.62,74.7 72.629,74.75 72.629,76 72.62,76.05 72.592,76.092 72.092,76.592 72.05,76.62 72,76.629 63.129,76.629 63.129,93 63.12,93.05 63.092,93.092 62.342,93.842 62.3,93.87 62.25,93.879 50.51,93.879 50.51,188.7 50.509,188.712 50.518,188.796 50.546,188.888 50.591,188.973 50.652,189.048 50.727,189.109 50.812,189.154 50.904,189.182 50.988,189.191
_12V_TPS on AVDD (split plane): 68.871,85.304 66.946,83.379 65.629,83.379 65.629,87.696 67.554,89.621 68.871,89.621
_12V_AVDD_Drpt on AVDD (split plane): 72.371,75.946 72.371,74.804 71.946,74.379 56.879,74.379 56.879,75.946 57.304,76.371 71.946,76.371
5V_DEMOD on AVDD (split plane): 77.821,140.2 77.83,140.15 77.858,140.108 90.458,127.508 91.371,126.596 91.371,115.75 91.371,113.129 77.804,113.129 74.879,116.054 74.879,132.75 74.87,132.8 74.842,132.842 74.029,133.654 74.029,139.75 74.029,148.871 77.821,148.871
5V_AVDD on AVDD (split plane): 82.108,148.258 97.371,132.996 97.371,91.304 96.696,90.629 92.304,90.629 91.629,91.304 91.629,115.75 91.629,126.65 91.62,126.7 91.592,126.742 90.642,127.692 78.079,140.254 78.079,148.871 81.496,148.871
5V_CVDD on AVDD (split plane): 73.771,139.879 72.054,139.879 71.779,140.154 71.779,141.35 71.77,141.4 71.742,141.442 70.592,142.592 70.029,143.154 70.029,144.1 70.029,148.871 73.771,148.871
3V3_CVDD on AVDD (split plane): 69.771,144.1 69.771,143.1 69.78,143.05 69.808,143.008 70.408,142.408 71.521,141.296 71.521,140.1 71.53,140.05 71.558,140.008 71.908,139.658 71.95,139.63 72,139.621 73.771,139.621 73.771,133.6 73.78,133.55 73.808,133.508 74.621,132.696 74.621,128.854 70.229,128.854 65.629,133.454 65.629,148.871 69.771,148.871
_6V_flt on AVDD (split plane): 77.371,154.446 77.371,153.75 77.38,153.7 77.408,153.658 77.658,153.408 77.7,153.38 77.75,153.371 80.746,153.371 81.121,152.996 81.121,152.404 80.946,152.229 66.854,152.229 66.629,152.454 66.629,153.046 66.954,153.371 74,153.371 74.05,153.38 74.092,153.408 74.342,153.658 74.37,153.7 74.379,153.75 74.379,154.446 74.554,154.621 77.196,154.621
6V on DVDD (split plane): 51,189.19 58.455,189.19 58.464,189.19 58.54,189.184 58.622,189.165 58.701,189.132 58.773,189.088 58.831,189.038 58.837,189.032 68.382,179.487 68.512,179.37 68.655,179.269 68.808,179.184 68.97,179.117 69.138,179.069 69.31,179.039 69.485,179.03 100.875,179.03 100.884,179.03 100.96,179.024 101.042,179.005 101.121,178.972 101.193,178.928 101.237,178.89 101.257,178.867 102.672,177.451 102.679,177.446 102.728,177.388 102.772,177.316 102.805,177.237 102.824,177.155 102.83,177.079 102.83,177.07 102.83,139.335 102.839,139.16 102.869,138.988 102.917,138.82 102.984,138.658 103.069,138.505 103.17,138.362 103.286,138.232 112.832,128.686 112.838,128.681 112.888,128.623 112.932,128.551 112.965,128.472 112.984,128.39 112.99,128.314 112.99,128.305 112.99,51 112.991,50.988 112.982,50.904 112.954,50.812 112.909,50.727 112.848,50.652 112.773,50.591 112.688,50.546 112.596,50.518 112.512,50.509 112.5,50.51 51,50.51 50.988,50.509 50.904,50.518 50.812,50.546 50.727,50.591 50.652,50.652 50.591,50.727 50.546,50.812 50.518,50.904 50.509,50.988 50.51,51 50.51,188.7 50.509,188.712 50.518,188.796 50.546,188.888 50.591,188.973 50.652,189.048 50.727,189.109 50.812,189.154 50.904,189.182 50.988,189.191
3V3 on DVDD (split plane): 63.371,152.696 63.371,142.6 63.38,142.55 63.408,142.508 69.608,136.308 70.658,135.258 81.008,124.908 81.05,124.88 81.1,124.871 87.696,124.871 91.021,121.546 91.021,109.204 78.196,96.379 61.5,96.379 61.45,96.37 61.408,96.342 58.408,93.342 58.38,93.3 58.371,93.25 58.371,63.7 58.38,63.65 58.408,63.608 61.808,60.208 61.85,60.18 61.9,60.171 68.946,60.171 69.171,59.946 69.171,57.854 68.946,57.629 60.254,57.629 54.129,63.754 54.129,150.171 58.829,154.871 61.196,154.871
_3V3 on DVDD (split plane): 69.621,170.696 69.621,166.804 68.696,165.879 58.804,165.879 58.129,166.554 58.129,167.946 61.554,171.371 68.946,171.371
GND on GND 2 (split plane): 51,189.19 58.455,189.19 58.464,189.19 58.54,189.184 58.622,189.165 58.701,189.132 58.773,189.088 58.831,189.038 58.837,189.032 68.382,179.487 68.512,179.37 68.655,179.269 68.808,179.184 68.97,179.117 69.138,179.069 69.31,179.039 69.485,179.03 100.875,179.03 100.884,179.03 100.96,179.024 101.042,179.005 101.121,178.972 101.193,178.928 101.237,178.89 101.257,178.867 102.672,177.451 102.679,177.446 102.728,177.388 102.772,177.316 102.805,177.237 102.824,177.155 102.83,177.079 102.83,177.07 102.83,139.335 102.839,139.16 102.869,138.988 102.917,138.82 102.984,138.658 103.069,138.505 103.17,138.362 103.286,138.232 112.832,128.686 112.838,128.681 112.888,128.623 112.932,128.551 112.965,128.472 112.984,128.39 112.99,128.314 112.99,128.305 112.99,51 112.991,50.988 112.982,50.904 112.954,50.812 112.909,50.727 112.848,50.652 112.773,50.591 112.688,50.546 112.596,50.518 112.512,50.509 112.5,50.51 51,50.51 50.988,50.509 50.904,50.518 50.812,50.546 50.727,50.591 50.652,50.652 50.591,50.727 50.546,50.812 50.518,50.904 50.509,50.988 50.51,51 50.51,188.7 50.509,188.712 50.518,188.796 50.546,188.888 50.591,188.973 50.652,189.048 50.727,189.109 50.812,189.154 50.904,189.182 50.988,189.191
GND on GND 1 (split plane): 51,189.19 58.455,189.19 58.464,189.19 58.54,189.184 58.622,189.165 58.701,189.132 58.773,189.088 58.831,189.038 58.837,189.032 68.382,179.487 68.512,179.37 68.655,179.269 68.808,179.184 68.97,179.117 69.138,179.069 69.31,179.039 69.485,179.03 100.875,179.03 100.884,179.03 100.96,179.024 101.042,179.005 101.121,178.972 101.193,178.928 101.237,178.89 101.257,178.867 102.672,177.451 102.679,177.446 102.728,177.388 102.772,177.316 102.805,177.237 102.824,177.155 102.83,177.079 102.83,177.07 102.83,139.335 102.839,139.16 102.869,138.988 102.917,138.82 102.984,138.658 103.069,138.505 103.17,138.362 103.286,138.232 112.832,128.686 112.838,128.681 112.888,128.623 112.932,128.551 112.965,128.472 112.984,128.39 112.99,128.314 112.99,128.305 112.99,51 112.991,50.988 112.982,50.904 112.954,50.812 112.909,50.727 112.848,50.652 112.773,50.591 112.688,50.546 112.596,50.518 112.512,50.509 112.5,50.51 51,50.51 50.988,50.509 50.904,50.518 50.812,50.546 50.727,50.591 50.652,50.652 50.591,50.727 50.546,50.812 50.518,50.904 50.509,50.988 50.51,51 50.51,188.7 50.509,188.712 50.518,188.796 50.546,188.888 50.591,188.973 50.652,189.048 50.727,189.109 50.812,189.154 50.904,189.182 50.988,189.191

## Other copper
Top RF:
  pour cut-out: 59.35,113.3 59.35,99.7 59.65,99.4 73.35,99.4 73.65,99.7 73.65,113.3 73.35,113.6 59.65,113.6
AGND (plane layer: these items are gaps in the copper):
  lines w0.79: 80.022,64.361 cw(c80.093,64.432) 80.022,64.502 80.44,64.92 cw(c80.51,64.849) 80.581,64.92 81.315,64.186 cw(c81.244,64.115) 81.315,64.045 80.897,63.627 cw(c80.827,63.698) 80.756,63.627 80.022,64.361 ; 82.282,66.611 cw(c82.353,66.682) 82.282,66.752 82.7,67.17 cw(c82.77,67.099) 82.841,67.17 83.575,66.436 cw(c83.504,66.365) 83.575,66.295 83.157,65.877 cw(c83.087,65.948) 83.016,65.877 82.282,66.611
  lines w0.81: 76.074,64.477 ccw(c76.174,64.477) 76.174,64.377 78.8,64.377 ccw(c78.8,64.477) 78.9,64.477 78.9,65.087 ccw(c78.8,65.087) 78.8,65.187 76.174,65.187 ccw(c76.174,65.087) 76.074,65.087 76.074,64.477
  lines w1.12: 95.07,92.73 ccw(c95.17,92.73) 95.17,92.63 96.071,92.63 ccw(c96.071,92.73) 96.171,92.73 96.171,94.981 ccw(c96.071,94.981) 96.071,95.081 95.17,95.081 ccw(c95.17,94.981) 95.07,94.981 95.07,92.73 ; 95.07,100.02 ccw(c95.17,100.02) 95.17,99.92 96.071,99.92 ccw(c96.071,100.02) 96.171,100.02 96.171,102.261 ccw(c96.071,102.261) 96.071,102.361 95.17,102.361 ccw(c95.17,102.261) 95.07,102.261 95.07,100.02 ; 102.69,92.73 ccw(c102.79,92.73) 102.79,92.63 103.691,92.63 ccw(c103.691,92.73) 103.791,92.73 103.791,94.981 ccw(c103.691,94.981) 103.691,95.081 102.79,95.081 ccw(c102.79,94.981) 102.69,94.981 102.69,92.73
  lines w1.3: 84.176,67.776 84.876,68.476 ; 89.92,73.52 90.62,74.22
AVDD (plane layer: these items are gaps in the copper):
  lines w0.15: 63,76.5 63,83.25 ; 74.75,128.725 74.75,132.25 ; 91.5,91.5 91.5,92.75
  lines w0.254: 50,93.75 62.25,93.75 63,93 ; 56.75,74.25 72,74.25 72.5,74.75 72.5,76 72,76.5 57.25,76.5 56.75,76 56.75,63 59.75,60 98,60 99,59 99,50 ; 63,76.5 63,93 ; 63,90.5 63,93 ; 69.9,149 69.9,144.1 69.9,143.1 70.5,142.5 71.65,141.35 71.65,140.1 72,139.75 73.9,139.75 ; 74.75,128.725 70.175,128.725 65.5,133.4 65.5,149 73.9,149 ; 91.5,113 77.75,113 74.75,116 74.75,132.75 73.9,133.6 73.9,139.75 ; 73.9,139.75 73.9,149 ; 73.9,149 77.95,149 ; 77.95,149 81.55,149 82.2,148.35 97.5,133.05 97.5,91.25 96.75,90.5 92.25,90.5 91.5,91.25 91.5,115.75 91.5,126.65 90.55,127.6 77.95,140.2 77.95,149 ; 65.5,83.25 67,83.25 69,85.25 69,89.75 67.5,89.75 65.5,87.75 65.5,83.25 ; 66.5,152.4 66.5,153.1 66.9,153.5 74,153.5 74.25,153.75 74.25,154.5 74.5,154.75 77.25,154.75 77.5,154.5 77.5,153.75 77.75,153.5 80.8,153.5 81.25,153.05 81.25,152.35 81,152.1 66.8,152.1 66.5,152.4
DVDD (plane layer: these items are gaps in the copper):
  lines w0.254: 54,63.7 54,150.225 58.775,155 61.25,155 63.5,152.75 63.5,142.6 69.7,136.4 70.75,135.35 81.1,125 87.3,125 87.75,125 91.15,121.6 91.15,109.15 78.25,96.25 74,96.25 61.5,96.25 58.5,93.25 58.5,63.7 61.9,60.3 69,60.3 69.3,60 69.3,57.8 69,57.5 60.2,57.5 54,63.7 ; 58,166.5 58.75,165.75 68.75,165.75 69.75,166.75 69.75,170.75 69,171.5 61.5,171.5 58,168 58,166.5

## Silkscreen, mask and mechanical layers (free items; w line width, h text height)
Top Overlay:
  text "Device / Serial Number" at 79.75,168.5 h2
  text "CPLD JTAG" at 58.5,133 h1.8 r90
  text "STAT" at 65,130.75 h1.5 r90
  text "RF IN" at 65.75,67.75 h1.5
  text "RX" at 63.5,59.25 h1.5
  text "PWR" at 63,57.75 h1.5
Bottom Overlay:
  lines w0.12: 98.5,62 99,61 99.5,62 98.5,62
Top Solder:
  drawing of 230 lines, arcs and shapes, not listed
Bottom Solder:
  pour cut-out: 95.5,80 95.5,91.25 ccw(c94,91.25) 94,92.75 91,92.75 ccw(c91,91.25) 89.5,91.25 89.5,80 ccw(c91,80) 91,78.5 94,78.5 ccw(c94,80)
  pour cut-out: 93.25,101.75 93.25,107.25 ccw(c91.75,107.25) 91.75,108.75 88.75,108.75 ccw(c88.75,107.25) 87.25,107.25 87.25,101.75 ccw(c88.75,101.75) 88.75,100.25 91.75,100.25 ccw(c91.75,101.75)
  pour cut-out: 100.75,86 100.75,80.5 ccw(c102.25,80.5) 102.25,79 105.25,79 ccw(c105.25,80.5) 106.75,80.5 106.75,86 ccw(c105.25,86) 105.25,87.5 102.25,87.5 ccw(c102.25,86)
  pour cut-out: 63.5,75.75 63.5,72.25 ccw(c65,72.25) 65,70.75 71.25,70.75 ccw(c71.25,72.25) 72.75,72.25 72.75,75.75 ccw(c71.25,75.75) 71.25,77.25 65,77.25 ccw(c65,75.75)
  pour cut-out: 66.5,125.75 78.25,125.75 cw(c78.25,124.25) 79.75,124.25 79.75,119.5 79.75,113.75 79.75,112.75 ccw(c81.25,112.75) 81.25,111.25 96.5,111.25 ccw(c96.5,112.75) 98,112.75 98,119.5 98,131 ccw(c96.5,131) 96.5,132.5 94.25,132.5 cw(c94.25,134) 92.75,134 92.75,169.75 ccw(c91.25,169.75) 91.25,171.25 59.25,171.25 ccw(c59.25,169.75) 57.75,169.75 57.75,154.75 ccw(c59.25,154.75) 59.25,153.25 63.5,153.25 cw(c63.5,151.75) 65,151.75 65,127.25 ccw(c66.5,127.25)
  pour cut-out: 89,50 89,61.5 cw(c90.5,61.5) 90.5,63 98.5,63 cw(c98.5,61.5) 100,61.5 100,50
  pour cut-out: 64.25,59 64.25,58.75 ccw(c65.75,58.75) 65.75,57.25 68,57.25 ccw(c68,58.75) 69.5,58.75 69.5,59 ccw(c68,59) 68,60.5 65.75,60.5 ccw(c65.75,59)
  pour cut-out: 59.75,92.25 59.75,84.25 ccw(c61.25,84.25) 61.25,82.75 79.5,82.75 ccw(c79.5,84.25) 81,84.25 81,92.25 ccw(c79.5,92.25) 79.5,93.75 61.25,93.75 ccw(c61.25,92.25)
  pour cut-out: 54.25,118.25 cw(c55.75,118.25) 55.75,119.75 75.25,119.75 cw(c75.25,118.25) 76.75,118.25 76.75,110.75 ccw(c78.25,110.75) 78.25,109.25 78.75,109.25 83,109.25 cw(c83,107.75) 84.5,107.75 84.5,98 cw(c83.001,97.999) 83,96.5 55.75,96.5 cw(c55.75,98) 54.25,98
  pour cut-out: 53,75.75 53,64 ccw(c54.5,64) 54.5,62.5 59,62.5 ccw(c59,64) 60.5,64 60.5,75.75 ccw(c59,75.75) 59,77.25 54.5,77.25 ccw(c54.5,75.75)
  pour cut-out: 52.75,144 55.25,144 cw(c55.251,142.501) 56.75,142.5 56.75,129.5 cw(c55.251,129.499) 55.25,128 52.75,128 cw(c52.75,129.5) 51.25,129.5 51.25,142.5 cw(c52.75,142.5)
  lines w0.4: 89.15,121.425 89.15,121.95 ; 89.65,121.425 89.65,121.95 ; 90,135.6 90.8,135.6 ; 90,136.6 90.8,136.6 ; 90,140.6 90.8,140.6 ; 90,141.6 90.8,141.6
  lines w0.55: 71.35,129.45 cw(c71.35,129.03) 71.77,129.03 ; 72.03,129.03 cw(c72.45,129.03) 72.45,129.45 ; 88.975,122.125 cw(c89.748,122.125) 89.201,122.671 ccw(c89.035,122.837) 89.27,122.837 ; 89.53,122.837 ccw(c89.765,122.837) 89.599,122.671 cw(c89.052,122.125) 89.825,122.125
  lines w0.8: 71.9,128.917 71.9,128.847 ccw(c73.297,128.847) 73.297,127.45 85.395,127.45 cw(c85.395,123.445) 89.4,123.445 89.4,122.967
Board Shape:
  lines w0.25: 50,51 50,188.7 ; 51,50 112.5,50 ; 51,189.7 58.455,189.7 ; 68.743,179.848 59.198,189.392 ; 69.485,179.54 100.867,179.54 ; 101.611,179.234 103.033,177.812 ; 103.34,139.335 103.34,177.07 ; 113.193,129.047 103.647,138.592 ; 113.5,51 113.5,128.305 ; 59.197,189.392 59.198,189.392 ; 103.647,138.592 103.647,138.593
  lines w0.254: 50,51 ccw(c51,51) 51,50 ; 50,188.7 cw(c51,188.7) 51,189.7 ; 58.455,189.7 cw(c58.455,188.65) 59.198,189.392 ; 68.743,179.848 ccw(c69.485,180.59) 69.485,179.54 ; 100.867,179.54 cw(c100.867,178.49) 101.61,179.232 ; 103.033,177.812 cw(c102.29,177.07) 103.34,177.07 ; 103.34,139.335 ccw(c104.39,139.335) 103.647,138.593 ; 112.5,50 ccw(c112.5,51) 113.5,51 ; 113.193,129.047 cw(c112.45,128.305) 113.5,128.305

## Dimensions
53.81,88.735 to 53.81,53.81 on Mechanical 13
53.81,185.89 to 99.53,175.73 on Mechanical 13
53.81,185.89 to 76.67,175.73 on Mechanical 13
53.81,154.775 to 53.81,185.89 on Mechanical 13
53.81,123.66 to 53.81,185.89 on Mechanical 13
53.81,53.81 to 109.69,53.81 on Mechanical 13
53.81,53.81 to 86.068,88.735 on Mechanical 13
109.69,74.13 to 109.69,53.81 on Mechanical 13
99.53,149.695 to 99.53,175.73 on Mechanical 13
99.53,175.73 to 109.69,123.66 on Mechanical 13
53.81,53.81 to 81.75,53.81 on Mechanical 13
109.69,103.34 to 109.69,53.81 on Mechanical 13
109.69,123.66 to 109.69,53.81 on Mechanical 13

## Text inside footprints (layer, text, board x,y; h text height)
X1: Bottom Overlay "63" at 83.2,134.2 h1.27; Bottom Overlay "1" at 83.238,165.184 h1.27; Bottom Overlay "RX" at 90.3,168.7 h2; Bottom Overlay "2" at 92,165.2 h1.27; Bottom Overlay "64" at 92.6,134.2 h1.27